# KiCad board Marble.kicad_pcb (continued)
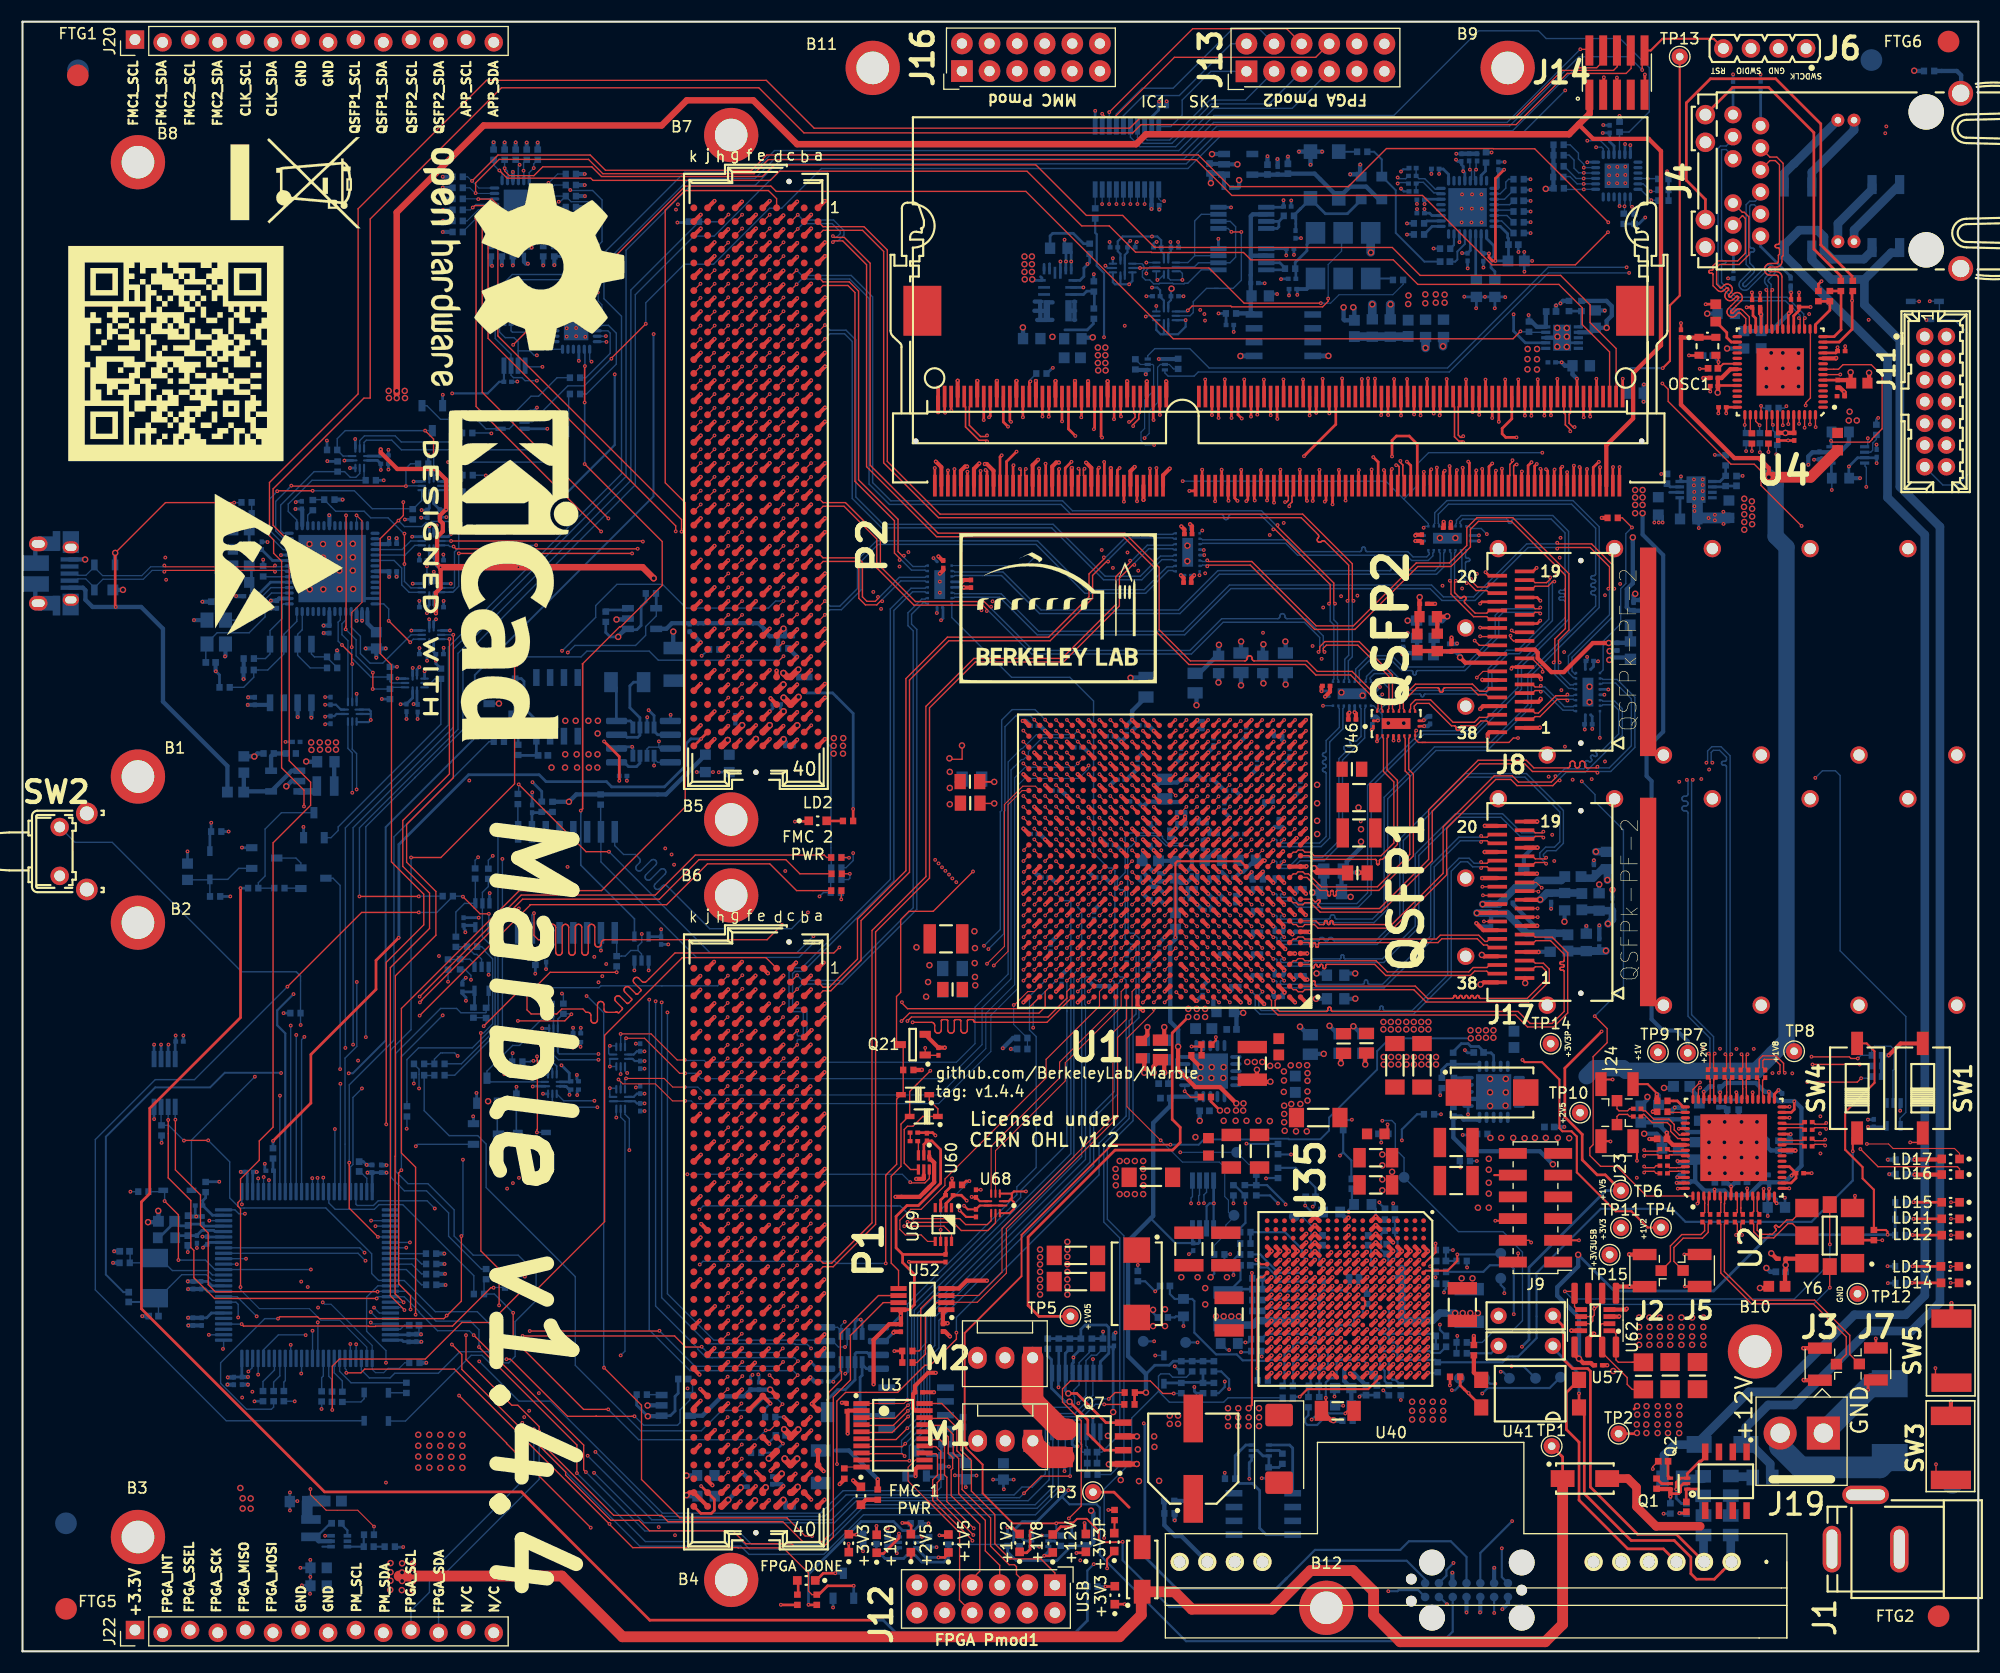
[diagram p0: board, top side]
## Routing (per net, layer and track width the routed paths; a pad name or vN(x,y) marks a point on that pad's centre or on a via; arc(x,y) is an arc through that point) (continued)
  Bottom w0.127: v1(32.48,39.13) 32.49,39.14 U54.54
/Pmod3_6: length 175.3
  In2.Cu w0.127: J16.6 90.37,149.16 85.06,149.16 83.47,147.57 83.47,144.82 80.55,141.9 74.92,141.9 70.42,146.39 55.44,146.39 47.19,138.14 46.51,138.14 42.29,133.92 42.29,133.17 40.48,131.37 40.48,101.23 40.5,101.22 40.5,91.92 39.82,91.25 39.82,86.15 36.04,82.36 ; 36.04,82.36 32.92,79.24 32.92,41.85 28.55,37.48 28.55,30.88 27.18,29.51 v1(26.69,29.51) ; 36.04,82.36 35.91,82.24
  Bottom w0.127: U54.87 26.69,26.97 v1(26.69,29.51)
/Pmod3_7: length 178.4
  In2.Cu w0.127: v1(27.18,30.28) 28.09,31.19 28.09,39.39 32.1,43.4 32.1,79.21 39.42,86.53 39.42,91.58 39.99,92.15 39.99,94.18 39.81,94.36 39.81,101.33 40.01,101.53 40.03,131.23 40.03,133.06 41.54,134.57 41.59,134.57 54.02,147 54.13,147.11 71,147.11 75.69,142.41 80.24,142.41 82.86,145.03 82.86,147.59 84.76,149.49 92.58,149.49 J16.8
  Bottom w0.127: v1(27.18,30.28) 27.18,30.27 U54.86
/PMOD/Pmod1_0: length 49.4
  Top w0.102: U3.1 81.13,22.81 v1(81.45,23.13)
  Top w0.127: v1(94.12,61.73) 94.62,62.23 U1.C24
  Bottom w0.127: v1(81.45,23.13) 81.45,31.96 91.51,42.02 91.51,42.75 93.29,44.53 93.29,56.58 92.68,57.2 92.68,60.28 v1(94.12,61.73)
/PMOD/Pmod1_1: length 50.5
  Top w0.11: U1.C22 v1(96.12,61.73)
  Top w0.127: 77.4,21.44 80.28,21.44 v1(81.5,22.65)
  Bottom w0.11: 96.12,58.86 v1(96.12,61.73)
  Bottom w0.127: 96.12,58.96 96.12,46.67 91.87,42.42 91.87,41.79 81.83,31.74 81.83,22.98 v1(81.5,22.65)
/PMOD/Pmod1_2: length 60
  Top w0.11: v1(95.12,69.73) 95.61,70.21 95.62,70.21
  Top w0.127: 77.4,20.79 80.14,20.79 v1(81.49,22.13)
  Bottom w0.127: v1(95.12,69.73) 95.75,69.1 96.29,69.1 96.49,68.9 96.49,45.81 82.07,31.4 82.07,22.72 v1(81.49,22.13)
/PMOD/Pmod1_3: length 53
  Top w0.11: U1.D21 v1(97.12,62.73)
  Top w0.127: 77.4,20.14 80.04,20.14 v1(81.51,21.61)
  Bottom w0.11: 96.76,59.18 96.76,62.37 v1(97.12,62.73)
  Bottom w0.127: 96.76,59.18 96.76,45.5 82.37,31.11 82.37,22.47 v1(81.51,21.61)
/PMOD/Pmod1_4: length 60.2
  Top w0.11: 97.61,69.25 97.61,69.25 v1(97.12,68.75)
  Top w0.127: 77.4,19.49 80.39,19.49 v1(81.44,20.54)
  Bottom w0.127: v1(81.44,20.54) 82.69,21.79 82.69,27.9 83.21,28.42 83.21,31.25 97.49,45.53 97.49,68.14 97.12,68.51 v1(97.12,68.75)
/PMOD/Pmod1_5: length 55.5
  Top w0.11: v1(100.12,61.73) 100.12,61.73 U1.C18
  Top w0.127: 77.4,18.84 80.97,18.84 v1(81.24,19.11)
  Bottom w0.127: v1(100.12,61.73) 100.37,61.73 100.48,61.62 100.48,51.53 98.25,49.3 98.25,45.03 83.96,30.74 83.96,28.15 83.24,27.43 83.24,21.5 83.03,21.29 83.03,20.9 v1(81.24,19.11)
/PMOD/Pmod1_6: length 57.3
  Top w0.11: U1.C19 v1(99.12,61.73)
  Top w0.127: v1(81.19,17.96) 80.96,18.19 77.4,18.19
  Bottom w0.11: v1(99.12,61.73) 98.79,61.73 98.43,62.08 97.91,62.08 97.77,61.93 97.77,59.57 97.83,59.5 97.83,53.74
  Bottom w0.127: v1(81.19,17.96) 80.9,18.25 80.9,19.4 82.74,21.24 82.74,21.37 82.97,21.59 82.97,27.65 83.59,28.27 83.59,31.03 97.83,45.27 97.83,53.74
/PMOD/Pmod1_7: length 57.2
  Top w0.11: U1.C17 v1(101.12,61.73)
  Top w0.127: v1(81.62,17.54) 81.62,17.54 77.4,17.54
  Bottom w0.127: v1(101.12,61.73) 100.77,61.38 100.77,51.26 98.58,49.08 98.58,44.69 84.34,30.45 84.34,27.92 83.5,27.07 83.5,21.18 83.34,21.02 83.34,20.62 81.62,18.9 v1(81.62,17.54)
/PMOD/Pmod1_C_0: length 24.3
  Top w0.127: J12.1 95.02,7.21 93.73,8.51 90.88,8.51 89.49,9.89 89.49,12.59 87.33,14.75 87.33,17.56 86.37,18.51 86.37,21.03 84.6,22.81 U3.20
/PMOD/Pmod1_C_1: length 20.6
  Top w0.127: J12.3 91.48,7.09 91.48,7.78 91.3,7.97 90.81,7.97 89.1,9.68 89.1,12.27 86.47,14.89 86.47,17.98 86,18.46 86,20.58 85.14,21.44 83.2,21.44
/PMOD/Pmod1_C_2: length 18.4
  Top w0.127: 83.2,20.79 84.83,20.79 85.66,19.95 85.66,18.23 86.16,17.72 86.16,14.5 88.61,12.05 88.61,9.24 89.94,7.91 J12.5
/PMOD/Pmod1_C_3: length 17.4
  Top w0.127: 83.2,20.14 84.81,20.14 85.2,19.74 85.2,18.21 85.61,17.81 85.61,16.82 85.47,16.69 85.47,14.33 88.1,11.7 88.1,7.37 87.4,6.67 J12.7
/PMOD/Pmod1_C_4: length 22.7
  Top w0.127: v1(87.55,11.31) 85.07,13.79 85.07,16.02 84.86,16.24 84.86,19.06 84.43,19.49 83.2,19.49
  In9.Cu w0.127: J12.2 93.66,4.91 93.66,7.11 89.46,11.3 87.56,11.3 v1(87.55,11.31)
/PMOD/Pmod1_C_5: length 20.7
  Top w0.127: 83.2,18.84 84.07,18.84 84.51,18.41 84.51,15.85 84.19,15.53 84.19,14.03 v1(87.51,10.7)
  In9.Cu w0.127: v1(87.51,10.7) 87.52,10.7 88.89,10.7 91.25,8.34 91.25,4.77 J12.4
/PMOD/Pmod1_C_6: length 18.7
  Top w0.127: 83.77,14.62 83.77,13.87 87.43,10.22 v1(87.43,10.17) ; 83.77,14.62 83.77,14.51 ; 83.77,14.62 83.77,15.78 84.21,16.21 84.21,18.06 84.07,18.19 83.2,18.19
  In9.Cu w0.127: J12.6 88.68,4.81 88.68,9.48 87.98,10.18 87.43,10.18 v1(87.43,10.17)
/PMOD/Pmod1_C_7: length 17.6
  Top w0.102: 83.2,13.98 81.51,15.67 81.51,16.94 82.03,17.47 82.03,17.47 82.17,17.61 U3.12
  Top w0.127: 83.2,13.98 86.25,10.93 86.25,6.66 86.23,6.65 86.23,4.71 J12.8
/PMOD/Pmod2_0: length 56
  Top w0.102: v1(112.12,84.72) 111.63,84.23 U1.AE7
  In7.Cu w0.102: v1(112.12,84.72) 112.7,85.3 112.7,87.42 113.73,88.45 113.73,93.3 114.17,93.74 v1(114.17,93.75)
  In9.Cu w0.102: v1(105.06,133.49) 105.56,133.49 112.55,126.51 112.55,118.27 114.31,116.51 114.31,108.14 114.17,107.99 v1(114.17,93.75)
  Bottom w0.102: U12.1 104.57,133.7 104.78,133.49 v1(105.06,133.49)
  Bottom w0.4: 104.6,134.4 104.57,134.43
/PMOD/Pmod2_1: length 64.1
  Top w0.102: v1(112.13,77.75) 111.62,77.24 U1.V7
  In9.Cu w0.102: v1(103.27,133.21) 103.52,133.21 103.57,133.16 105.34,133.16 106.79,131.72 106.79,131.63 111.76,126.66 111.76,124.84 111.88,124.71 111.88,120.31 111.6,120.03 111.6,118.61 113.98,116.24 113.98,112.68 113.66,112.36 113.66,108.58 113.74,108.5 113.74,103.22 113.55,103.03 113.55,88.64 112.77,87.86 112.77,78.38 v1(112.13,77.75)
  Bottom w0.102: v1(103.27,133.21) 103.27,133.22 103.27,134.43
/PMOD/Pmod2_2: length 61.3
  Top w0.102: v1(112.14,79.75) 111.62,79.23 U1.Y7
  In9.Cu w0.102: v1(102.61,133.21) 103.5,132.32 105.66,132.32 111.15,126.83 111.15,121.29 111.22,121.21 111.22,120.56 111.3,120.49 111.3,117.72 112.7,116.32 112.7,113.48 113,113.18 113,88.69 112.46,88.15 112.46,80.07 v1(112.14,79.75)
  Bottom w0.102: v1(102.61,133.21) 102.62,133.22 102.62,134.43
/PMOD/Pmod2_3: length 55.6
  Top w0.102: v1(112.12,85.63) 112.07,85.63 111.68,85.23 U1.AF7
  In9.Cu w0.102: v1(101.97,133.21) 103.3,131.88 105.6,131.88 110.84,126.64 110.84,117.64 111.82,116.67 111.82,108.61 112.29,108.14 112.29,105.73 112.29,105.72 112.29,93.84 111.6,93.16 111.6,88.74 112.12,88.22 v1(112.12,85.63)
  Bottom w0.102: 101.97,134.43 v1(101.97,133.21)
/PMOD/Pmod2_4: length 64.3
  Top w0.102: U1.V8 110.62,77.24 v1(111.13,77.75)
  In9.Cu w0.102: v1(111.13,77.75) 111.74,78.36 ; 111.74,78.36 111.74,86.46 ; 111.74,78.36 111.78,78.4 ; 111.74,86.46 111.74,86.54 ; 111.74,86.46 111.74,88.14 111.21,88.67 111.21,93.2 111.94,93.92 111.94,105.17 111.49,105.61 111.49,110.65 110.89,111.25 110.89,116.07 110.18,116.78 110.18,122.11 110.41,122.34 110.41,126.57 105.4,131.58 102.96,131.58 v1(101.32,133.21)
  Bottom w0.102: 101.32,134.43 101.32,133.22 v1(101.32,133.21)
/PMOD/Pmod2_5: length 61.7
  Top w0.11: 110.59,80.23 v1(111.09,80.73)
  In9.Cu w0.102: v1(111.09,80.73) 111.47,81.12 111.47,88.06 110.91,88.62 110.91,93.45 111.58,94.12 111.58,104.84 110.66,105.75 110.66,106.11 111.25,106.7 111.25,110.3 110.56,110.99 110.56,115.71 109.8,116.47 109.8,120.01 109.75,120.06 109.75,126.83 105.3,131.28 102.61,131.28 v1(100.68,133.21)
  Bottom w0.102: 100.67,134.43 100.67,133.23 v1(100.68,133.21)
/PMOD/Pmod2_6: length 62.6
  Top w0.102: U1.Y8 110.62,79.26 v1(111.1,79.75)
  In9.Cu w0.102: v1(111.1,79.75) 111.1,79.99 110.76,80.34 110.76,80.57 110.74,80.59 110.74,88.39 110.57,88.56 110.57,93.57 111.27,94.28 111.27,104.64 110.41,105.5 110.41,106.37 110.97,106.92 110.97,110.05 109.12,111.89 109.12,115.47 109.45,115.79 109.45,125.44 105.3,129.59 105.3,130.18 104.53,130.95 102.27,130.95 v1(100.01,133.21)
  Bottom w0.102: 100.02,134.43 100.02,133.22 v1(100.01,133.21)
/PMOD/Pmod2_7: length 64.5
  Top w0.102: U1.W9 109.62,78.23 v1(110.08,78.69)
  In9.Cu w0.102: 109.62,89.44 109.62,88.92 110.45,88.09 110.45,79.06 v1(110.08,78.69) ; 109.62,89.44 109.62,89.52 ; 109.62,89.44 109.62,93.02 110.94,94.35 110.94,104.33 110.09,105.19 110.09,106.91 110.72,107.53 110.72,109.82 108.79,111.75 108.79,115.71 109.19,116.12 109.19,125.09 104.85,129.43 104.85,130.03 104.23,130.65 101.91,130.65 99.36,133.2 v1(99.36,133.21)
  Bottom w0.102: 99.37,134.43 99.37,133.22 v1(99.36,133.21)
/PMOD/Pmod2_C_0: length 11
  Bottom w0.127: U12.20 105.68,140.36 106.73,141.4 106.73,142.79 109.37,145.43 J13.1
/PMOD/Pmod2_C_1: length 15.5
  Bottom w0.127: J13.3 112.54,142.79 109.27,142.79 105.59,139.11 103.5,139.11 103.27,139.34 103.27,140.23
/PMOD/Pmod2_C_2: length 19
  Bottom w0.127: 102.62,140.23 102.62,139.33 103.15,138.8 105.79,138.8 109.42,142.43 114.73,142.43 J13.5
/PMOD/Pmod2_C_3: length 22.4
  Bottom w0.127: 101.97,140.23 101.97,139.37 102.84,138.5 106.13,138.5 109.66,142.03 116.86,142.03 J13.7
/PMOD/Pmod2_C_4: length 15.2
  Bottom w0.127: J13.2 111.23,147.97 106.46,143.2 103.18,143.2 101.32,141.34 101.32,140.23
/PMOD/Pmod2_C_5: length 19.6
  Bottom w0.127: J13.4 113.83,149.32 111.35,149.32 105.9,143.88 103.04,143.88 100.67,141.5 100.67,140.23
/PMOD/Pmod2_C_6: length 22.9
  Top w0.127: J13.6 116.34,149.36 107.7,149.36 v1(100.02,141.68)
  Bottom w0.127: v1(100.02,141.68) 100.02,140.24 100.02,140.23
/PMOD/Pmod2_C_7: length 25.1
  Top w0.127: J13.8 119.02,146.72 106.02,146.72 100.52,141.23 99.66,141.23 v1(99.37,141.52)
  Bottom w0.127: 99.37,140.23 99.37,140.23 v1(99.37,141.52)
/Power/FMC1_P: length 9.4
  Bottom w0.254: 76.65,22.45 R182.1 77.09,25.22 77.28,25.41 U17.1 ; 77.4,26.28 77.67,26.01 U63.8
  Bottom w0.4: Q16.6 77.37,21.73 R182.1
/Power/FMC2_P: length 5.8
  Bottom w0.127: 56.17,85.41 56.17,85.03
  Bottom w0.254: 56.17,85.41 55.94,85.64 54.67,85.64 54.66,85.65 54.66,88.71 R183.1
/Power/Power_SW/LTM4673/FB0: length 26.9
  Top w0.4: U35.G9 v1(124.55,33.63)
  In2.Cu w0.2: v1(112.55,28.43) 120.15,28.43 120.71,28.43 120.95,28.67 120.95,28.99 121.19,29.23 121.51,29.23 121.75,29.47 121.75,29.8 121.99,30.03 122.31,30.03 122.55,30.27 122.55,30.59 122.79,30.83 123.92,30.83 124.15,31.07 124.15,33.23 v1(124.55,33.63) 124.15,34.03 124.15,40.6 v1(124.88,41.33)
  Bottom w0.2: R217.2 111.95,28.43 v1(112.55,28.43) 112.78,28.43 R8.1 ; v1(124.88,41.33) 124.88,41.25 C361.1
/Power/Power_SW/LTM4673/FB1: length 11.2
  Top w0.4: U35.H9 v1(123.75,33.63)
  In2.Cu w0.2: v1(122.05,40.43) 123.35,39.13 123.35,38.83 123.35,34.33 123.75,33.93 v1(123.75,33.63)
  Bottom w0.2: v1(122.05,40.43) 122.05,40.63 R220.2 122.35,41.33 C362.1 ; v1(123.75,33.63) R89.1
/Power/Power_SW/LTM4673/FB2: length 28.1
  Top w0.4: U35.M9 v1(120.55,33.63)
  In2.Cu w0.2: v1(118.05,41.03) 118.05,40.13 118.55,39.63 118.55,35.87 119.35,35.07 119.35,34.27 119.59,34.03 119.91,34.03 120.31,33.63 v1(120.55,33.63) 120.55,33.39 120.15,32.99 120.15,32.63 120.35,32.43 120.85,32.43 120.95,32.33 120.95,30.13 120.85,30.03 120.35,30.03 120.15,29.83 120.15,29.46 119.91,29.23 113.65,29.23 113.35,28.93 112.35,28.93 112.15,28.73 v1(112.15,27.53)
  Bottom w0.2: 119.65,40.43 118.65,40.43 v1(118.05,41.03) 118.05,41.78 C363.1 ; v1(112.15,27.53) 112.98,27.53 R90.1
/Power/Power_SW/LTM4673/FB3: length 27.5
  Top w0.4: U35.N10 v1(119.75,32.83)
  Bottom w0.2: 116.15,26.93 116.15,24.6 R95.1 ; 116.15,26.93 116.05,26.83 114.79,26.83 114.69,26.73 113.75,26.73 113.7,26.78 112.3,26.78 111.75,27.33 109.85,27.33 107.85,29.33 107.85,32.23 107.65,32.43 R219.2 106.05,32.43 105.6,32.88 C426.1 ; 116.15,26.93 116.15,27.39 116.39,27.63 116.71,27.63 116.95,27.87 116.95,28.19 117.18,28.43 119.11,28.43 119.35,28.67 119.35,32.19 119.75,32.59 v1(119.75,32.83)
/Power/Power_SW/LTM4673/PWRGD: length 8.8
  Top w0.2: v1(117.55,23.43) 118.25,24.13 123.85,24.13 U35.F19
  Bottom w0.2: R81.1 117.02,23.43 v1(117.55,23.43)
/Power/Power_SW/LTM4673/RUN: length 5.7
  Bottom w0.254: R141.2 108.6,24.75 106.7,24.75 R245.1 105.12,24.7 D2.2 ; R141.2 R149.1 ; R141.2 R140.2
/Power/Power_SW/LTM4673/WP: length 61.9
  Top w0.2: SW4.1 168.45,47.31 v1(168.45,46.03)
  Top w0.4: U35.G15 v1(124.55,28.83)
  Bottom w0.2: v1(124.55,28.83) 124.95,28.43 124.95,27.87 125.19,27.63 126.31,27.63 126.55,27.39 126.55,27.07 126.79,26.83 130.02,26.83 R308.2 136.22,26.6 136.75,27.13 137.65,27.13 139.35,28.83 139.35,34.83 145.25,40.73 151.85,40.73 153.05,39.53 164.65,39.53 168.45,43.33 v1(168.45,46.03)
/Power/Power_SW/XRP_POWER_GOOD: length 201.2
  Top w0.127: v1(72.67,10.61) 72.03,10.61 70.36,12.28 60.5,12.28 56.97,15.81 56.97,22.65 v1(53.51,26.1) ; v1(83.08,55.54) 83.08,55.54 Q21.1 83.11,54.86 C418.1
  In4.Cu w0.127: v1(99.55,10.43) 99.44,10.32 88.73,10.32 88.31,9.9 87.65,9.9 87.59,9.83 84.37,9.83 84,10.2 77.49,10.2 77.3,10.39 72.88,10.39 v1(72.67,10.61) ; v1(83.08,55.54) 83.08,55.69 81.63,57.14 79.93,57.14 76.78,60.29 57.88,60.29 57.84,60.33 51.9,60.33 ; 51.9,60.33 v1(51.91,60.32) ; 51.9,60.33 51.47,60.33 45.79,54.65 45.79,53.41 44.17,51.78 38.1,51.78 37.46,51.15 v1(23.7,51.15)
  Bottom w0.127: 104.55,23.93 104.55,25.33 104.75,25.53 105.55,25.53 105.85,25.23 107.12,25.23 R157.1 ; 104.55,23.93 102.08,21.46 102.08,17.46 99.55,14.93 v1(99.55,10.43) ; 104.55,23.93 105.55,22.93 110.55,22.93 110.95,23.33 R81.2 ; v1(23.7,51.15) 23.68,51.14 23.68,42.31 ; v1(51.91,60.32) 51.96,60.32 53.49,58.79 53.49,26.3 53.51,26.28 v1(53.51,26.1)
/QSFP1/QSFP_RX_1_N: length 38.2
  Top w0.127: U1.E3 v1(116.12,63.73)
  Top w0.13: 138.27,75.57 138.99,75.57 139.23,75.34 139.86,75.34 v1(139.97,75.45)
  Bottom w0.13: v1(139.97,75.45) 139.86,75.34 137.97,75.34 136.22,77.1 131.88,77.1 128.18,73.39 128.18,66.76 125.15,63.73 121.74,63.73 121.71,63.73 121.68,63.74 121.66,63.76 121.64,63.78 121.62,63.81 121.61,63.83 121.61,63.86 121.61,63.98 121.61,64.01 121.6,64.04 121.58,64.07 121.56,64.09 121.54,64.1 121.51,64.11 121.48,64.11 121.45,64.11 121.42,64.1 121.4,64.09 121.38,64.07 121.36,64.04 121.35,64.01 121.35,63.98 121.35,63.86 121.35,63.83 121.34,63.81 121.32,63.78 121.3,63.76 121.28,63.74 121.25,63.73 121.22,63.73 118.65,63.73 118.32,63.4 115.89,63.4 115.78,63.51 115.78,63.67 115.85,63.73 116.12,63.73
/QSFP1/QSFP_RX_1_P: length 38.2
  Top w0.127: U1.E4 v1(115.12,63.73)
  Top w0.13: v1(139.97,74.9) 139.86,75.01 139.23,75.01 138.99,74.77 138.27,74.77
  Bottom w0.13: v1(139.97,74.9) 139.86,75.01 137.84,75.01 136.08,76.77 132.02,76.77 128.51,73.26 128.51,66.62 125.29,63.4 118.79,63.4 118.45,63.07 115.76,63.07 115.45,63.37 115.45,63.66 115.38,63.73 115.12,63.73
/QSFP1/QSFP_RX_2_N: length 31.4
  Top w0.127: U1.C3 v1(116.12,61.73)
  Top w0.13: v1(134.24,75.05) 134.35,74.94 134.8,74.94 135.03,75.17 135.76,75.17
  Bottom w0.13: v1(134.24,75.05) 134.13,74.94 132.2,74.94 129.6,72.34 129.6,65.82 125.18,61.39 123.95,61.39 123.92,61.4 123.89,61.41 123.86,61.43 123.84,61.45 123.82,61.48 123.81,61.51 123.8,61.54 123.8,61.65 123.8,61.68 123.79,61.71 123.77,61.74 123.75,61.76 123.72,61.78 123.69,61.79 123.65,61.8 123.62,61.79 123.59,61.78 123.56,61.76 123.54,61.74 123.52,61.71 123.51,61.68 123.5,61.65 123.5,61.54 123.5,61.51 123.49,61.48 123.47,61.45 123.45,61.43 123.42,61.41 123.39,61.4 123.35,61.39 115.88,61.39 115.77,61.5 115.77,61.66 115.84,61.73 116.11,61.73
/QSFP1/QSFP_RX_2_P: length 31.4
  Top w0.127: U1.C4 v1(115.12,61.73)
  Top w0.13: v1(134.24,74.5) 134.35,74.61 134.8,74.61 135.03,74.37 135.76,74.37
  Bottom w0.13: 115.11,61.73 115.37,61.73 115.44,61.65 115.44,61.37 115.74,61.06 125.31,61.06 129.93,65.68 129.93,72.21 132.33,74.61 134.13,74.61 v1(134.24,74.5)
/QSFP1/QSFP_RX_3_N: length 47.8
  Top w0.13: 138.27,73.17 138.99,73.17 139.23,72.94 140.12,72.94 v1(140.23,73.05) ; U1.G3 v1(116.12,65.73)
  Bottom w0.13: v1(140.23,73.05) 140.14,73.05 139.98,73.21 139.98,73.35 140.32,73.7 141.14,73.7 141.81,74.37 141.81,77.4 138.42,80.8 132.78,80.8 126.76,74.77 126.76,67.62 124.53,65.4 120.76,65.4 120.73,65.4 120.7,65.41 120.67,65.43 120.64,65.45 120.62,65.48 120.61,65.52 120.61,65.58 120.59,65.62 120.58,65.65 120.55,65.67 120.52,65.69 120.49,65.7 120.45,65.7 120.35,65.7 120.32,65.7 120.29,65.69 120.26,65.67 120.23,65.65 120.21,65.62 120.2,65.58 120.2,65.52 120.18,65.48 120.17,65.45 120.14,65.43 120.11,65.41 120.08,65.4 120.04,65.4 119.94,65.4 119.91,65.4 119.88,65.41 119.85,65.43 119.82,65.45 119.8,65.48 119.79,65.52 119.79,65.58 119.77,65.62 119.76,65.65 119.73,65.67 119.7,65.69 119.67,65.7 119.63,65.7 119.53,65.7 119.5,65.7 119.47,65.69 119.44,65.67 119.41,65.65 119.39,65.62 119.38,65.58 119.38,65.52 119.36,65.48 119.35,65.45 119.32,65.43 119.29,65.41 119.26,65.4 119.22,65.4 115.89,65.4 115.78,65.5 115.78,65.66 115.85,65.73 116.12,65.73
/QSFP1/QSFP_RX_3_P: length 47.7
  Top w0.13: v1(140.23,72.5) 140.12,72.61 139.23,72.61 138.99,72.37 138.27,72.37 ; U1.G4 v1(115.12,65.73)
  Bottom w0.13: v1(140.23,72.5) 139.65,73.08 139.65,73.49 140.18,74.03 141,74.03 141.48,74.51 141.48,77.26 138.28,80.47 132.92,80.47 127.09,74.63 127.09,67.49 124.67,65.07 115.76,65.07 115.45,65.37 115.45,65.65 115.38,65.73 115.12,65.73
/QSFP1/QSFP_RX_4_N: length 36.8
  Top w0.127: v1(114.12,60.72) 114.12,60.73 U1.B5
  Top w0.13: 135.76,72.77 135.03,72.77 134.8,72.54 134.35,72.54 v1(134.24,72.65)
  Bottom w0.13: v1(114.12,60.72) 113.78,60.38 113.78,59.21 114.01,58.98 124.77,58.98 124.81,58.99 124.84,59 124.87,59.01 124.89,59.04 124.91,59.07 124.92,59.1 124.92,59.13 124.92,59.24 124.93,59.27 124.94,59.3 124.96,59.33 124.98,59.35 125.01,59.37 125.04,59.38 125.07,59.39 125.11,59.38 125.14,59.37 125.17,59.35 125.19,59.33 125.21,59.3 125.22,59.27 125.22,59.24 125.22,59.13 125.23,59.1 125.24,59.07 125.26,59.04 125.28,59.01 125.31,59 125.34,58.99 125.37,58.98 127.9,58.98 131.16,62.25 131.16,71.95 132.22,73 133.14,73 133.6,72.54 134.13,72.54 v1(134.24,72.65)
/QSFP1/QSFP_RX_4_P: length 36.8
  Top w0.127: U1.B6 v1(113.12,60.73)
  Top w0.13: v1(134.24,72.1) 134.35,72.21 134.8,72.21 135.03,71.97 135.76,71.97
  Bottom w0.13: v1(134.24,72.1) 134.13,72.21 133.46,72.21 133,72.67 132.35,72.67 131.5,71.81 131.5,62.11 128.04,58.65 113.88,58.65 113.45,59.07 113.45,60.4 v1(113.12,60.73)
/QSFP1/QSFP_TX_1_N: length 20.1
  Top w0.13: U1.D1 118.51,63.23 118.54,63.23 118.56,63.22 118.59,63.2 118.61,63.18 118.62,63.16 118.63,63.13 118.64,63.1 118.64,63.02 118.64,62.99 118.65,62.96 118.67,62.93 118.69,62.91 118.71,62.9 118.74,62.89 118.77,62.89 118.8,62.89 118.82,62.9 118.85,62.91 118.87,62.93 118.88,62.96 118.89,62.99 118.9,63.02 118.9,63.1 118.9,63.13 118.91,63.16 118.93,63.18 118.95,63.2 118.97,63.22 119,63.23 119.03,63.23 119.05,63.23 119.08,63.22 119.1,63.2 119.12,63.18 119.14,63.16 119.15,63.14 119.15,63.08 119.16,63.05 119.18,63.03 119.2,63.01 119.22,63 119.24,62.99 119.27,62.99 119.29,62.99 119.31,62.99 119.34,63 119.36,63.01 119.38,63.03 119.4,63.05 119.41,63.08 119.41,63.14 119.42,63.16 119.44,63.18 119.46,63.2 119.48,63.22 119.5,63.23 119.53,63.23 119.55,63.23 119.58,63.23 119.6,63.22 119.63,63.2 119.65,63.18 119.66,63.16 119.67,63.13 119.68,63.1 119.68,62.97 119.68,62.94 119.69,62.91 119.71,62.88 119.73,62.86 119.75,62.85 119.78,62.84 119.81,62.84 119.84,62.84 119.86,62.85 119.89,62.86 119.91,62.88 119.92,62.91 119.93,62.94 119.94,62.97 119.94,63.1 119.94,63.13 119.95,63.16 119.97,63.18 119.99,63.2 120.01,63.22 120.04,63.23 120.07,63.23 124.45,63.23 125.47,62.21 133.25,62.21 133.65,62.61 134.76,62.61 135,62.37 135.76,62.37
/QSFP1/QSFP_TX_1_P: length 20.1
  Top w0.13: U1.D2 116.95,63.56 117.21,63.56 117.41,63.76 117.83,63.76 118.02,63.56 124.58,63.56 125.61,62.54 133.11,62.54 133.51,62.94 134.79,62.94 135.02,63.17 135.76,63.17
/QSFP1/QSFP_TX_2_N: length 29.1
  Top w0.13: 138.27,62.77 138.99,62.77 139.23,63.01 139.84,63.01 140.18,62.66 140.18,61.8 138.48,60.1 134.19,60.1 134.16,60.1 134.13,60.11 134.11,60.12 134.08,60.14 134.07,60.17 134.06,60.2 134.06,60.23 134.06,60.24 134.05,60.27 134.04,60.3 134.03,60.32 134.01,60.34 133.98,60.36 133.96,60.37 133.93,60.37 133.9,60.37 133.87,60.36 133.85,60.34 133.82,60.32 133.81,60.3 133.8,60.27 133.8,60.24 133.8,60.23 133.79,60.2 133.78,60.17 133.77,60.14 133.75,60.12 133.72,60.11 133.7,60.1 133.67,60.1 133.64,60.1 133.61,60.11 133.59,60.12 133.56,60.14 133.55,60.17 133.54,60.2 133.54,60.23 133.54,60.24 133.53,60.27 133.52,60.3 133.51,60.32 133.49,60.34 133.46,60.36 133.44,60.37 133.41,60.37 133.38,60.37 133.35,60.36 133.33,60.34 133.3,60.32 133.29,60.3 133.28,60.27 133.28,60.24 133.28,60.23 133.27,60.2 133.26,60.17 133.25,60.14 133.23,60.12 133.2,60.11 133.18,60.1 133.15,60.1 133.12,60.1 133.09,60.11 133.07,60.12 133.04,60.14 133.03,60.17 133.02,60.2 133.02,60.23 133.02,60.24 133.01,60.27 133,60.3 132.99,60.32 132.97,60.34 132.94,60.36 132.92,60.37 132.89,60.37 132.86,60.37 132.83,60.36 132.81,60.34 132.78,60.32 132.77,60.3 132.76,60.27 132.76,60.24 132.76,60.23 132.75,60.2 132.74,60.17 132.73,60.14 132.71,60.12 132.68,60.11 132.66,60.1 132.63,60.1 132.6,60.1 132.57,60.11 132.55,60.12 132.52,60.14 132.51,60.17 132.5,60.2 132.5,60.23 132.5,60.24 132.49,60.27 132.48,60.3 132.47,60.32 132.45,60.34 132.42,60.36 132.4,60.37 132.37,60.37 132.34,60.37 132.31,60.36 132.29,60.34 132.26,60.32 132.25,60.3 132.24,60.27 132.24,60.24 132.24,60.23 132.23,60.2 132.22,60.17 132.21,60.14 132.19,60.12 132.16,60.11 132.14,60.1 132.11,60.1 132.08,60.1 132.05,60.11 132.03,60.12 132,60.14 131.99,60.17 131.98,60.2 131.98,60.23 131.98,60.24 131.97,60.27 131.96,60.3 131.95,60.32 131.93,60.34 131.9,60.36 131.88,60.37 131.85,60.37 131.82,60.37 131.79,60.36 131.77,60.34 131.74,60.32 131.73,60.3 131.72,60.27 131.72,60.24 131.72,60.23 131.71,60.2 131.7,60.17 131.69,60.14 131.67,60.12 131.64,60.11 131.62,60.1 131.59,60.1 129.32,60.1 128.18,61.23 119.1,61.23 119.07,61.23 119.04,61.24 119.02,61.26 119,61.28 118.98,61.3 118.97,61.33 118.97,61.36 118.97,61.59 118.96,61.62 118.95,61.65 118.94,61.67 118.92,61.69 118.89,61.71 118.87,61.72 118.84,61.72 118.81,61.72 118.78,61.71 118.76,61.69 118.74,61.67 118.72,61.65 118.71,61.62 118.71,61.59 118.71,61.36 118.7,61.33 118.69,61.3 118.68,61.28 118.66,61.26 118.63,61.24 118.61,61.23 118.58,61.23 U1.B1
/QSFP1/QSFP_TX_2_P: length 29.1
  Top w0.13: U1.B2 116.95,60.9 117.22,60.9 117.41,60.71 117.83,60.71 118.02,60.9 128.05,60.9 129.18,59.77 138.62,59.77 140.52,61.66 140.52,62.8 139.97,63.34 139.23,63.34 138.99,63.57 138.27,63.57
/QSFP1/QSFP_TX_3_N: length 19.9
  Top w0.13: U1.F1 118.36,65.23 118.39,65.23 118.42,65.22 118.44,65.2 118.46,65.18 118.48,65.16 118.49,65.13 118.49,65.1 118.49,64.92 118.49,64.89 118.5,64.87 118.52,64.84 118.54,64.82 118.56,64.81 118.59,64.8 118.62,64.79 118.65,64.8 118.68,64.81 118.7,64.82 118.72,64.84 118.74,64.87 118.75,64.89 118.75,64.92 118.75,65.1 118.75,65.13 118.76,65.16 118.78,65.18 118.8,65.2 118.82,65.22 118.85,65.23 118.88,65.23 118.91,65.23 118.94,65.22 118.96,65.2 118.98,65.18 119,65.16 119.01,65.13 119.01,65.1 119.01,64.92 119.01,64.89 119.02,64.87 119.04,64.84 119.06,64.82 119.08,64.81 119.11,64.8 119.14,64.79 119.17,64.8 119.2,64.81 119.22,64.82 119.24,64.84 119.26,64.87 119.27,64.89 119.27,64.92 119.27,65.1 119.27,65.13 119.28,65.16 119.3,65.18 119.32,65.2 119.34,65.22 119.37,65.23 119.4,65.23 130.27,65.23 130.62,65.59 133.89,65.59 134.47,65.01 134.8,65.01 135.03,64.77 135.76,64.77
/QSFP1/QSFP_TX_3_P: length 19.9
  Top w0.13: 135.76,65.57 135.03,65.57 134.8,65.34 134.6,65.34 134.03,65.92 130.48,65.92 130.13,65.56 118.03,65.56 117.84,65.75 117.41,65.75 117.22,65.56 116.95,65.56 U1.F2
/QSFP1/QSFP_TX_4_N: length 39.9
  Top w0.13: 138.27,65.17 139.03,65.17 139.27,65.41 140.64,65.41 141.89,64.16 141.89,63.61 141.88,63.58 141.87,63.55 141.86,63.53 141.84,63.51 141.81,63.49 141.78,63.48 141.75,63.48 141.63,63.48 141.6,63.47 141.57,63.47 141.55,63.45 141.53,63.43 141.51,63.4 141.5,63.38 141.5,63.35 141.5,63.32 141.51,63.29 141.53,63.27 141.55,63.25 141.57,63.23 141.6,63.22 141.63,63.22 141.75,63.22 141.78,63.21 141.81,63.21 141.84,63.19 141.86,63.17 141.87,63.14 141.88,63.12 141.89,63.09 141.88,63.06 141.87,63.03 141.86,63.01 141.84,62.99 141.81,62.97 141.78,62.96 141.75,62.96 141.63,62.96 141.6,62.95 141.57,62.95 141.55,62.93 141.53,62.91 141.51,62.88 141.5,62.86 141.5,62.83 141.5,62.8 141.51,62.77 141.53,62.75 141.55,62.73 141.57,62.71 141.6,62.7 141.63,62.7 141.75,62.7 141.78,62.69 141.81,62.69 141.84,62.67 141.86,62.65 141.87,62.62 141.88,62.6 141.89,62.57 141.89,58.9 140.78,57.8 138.75,57.8 137.65,58.9 120.58,58.9 120.55,58.9 120.52,58.91 120.49,58.93 120.47,58.95 120.45,58.98 120.44,59.01 120.43,59.05 120.43,59.15 120.43,59.18 120.42,59.21 120.4,59.24 120.38,59.26 120.35,59.28 120.32,59.29 120.28,59.3 120.25,59.29 120.22,59.28 120.19,59.26 120.17,59.24 120.15,59.21 120.14,59.18 120.13,59.15 120.13,59.05 120.13,59.01 120.12,58.98 120.1,58.95 120.08,58.93 120.05,58.91 120.02,58.9 119.98,58.9 115.69,58.9 115.28,59.3 115.28,59.9 U1.A3
/QSFP1/QSFP_TX_4_P: length 39.9
  Top w0.13: 138.27,65.97 138.98,65.97 139.21,65.74 140.77,65.74 142.22,64.3 142.22,58.76 140.92,57.47 138.52,57.47 137.42,58.57 115.55,58.57 114.95,59.16 114.95,59.9 U1.A4
/QSFP1/QSFP_Vcc: length 11.2
  Top w0.4: 135.76,67.97 133.87,67.97 v2(133.85,67.95)
  Bottom w0.102: 135.13,67.91 135.16,67.88 C406.1
  Bottom w0.7: 141.84,66.09 138.44,66.09 136.62,67.91 135.13,67.91 135.09,67.95 v2(133.85,67.95)
